# KiCad board Li-ion charger_panel.kicad_pcb (continued)
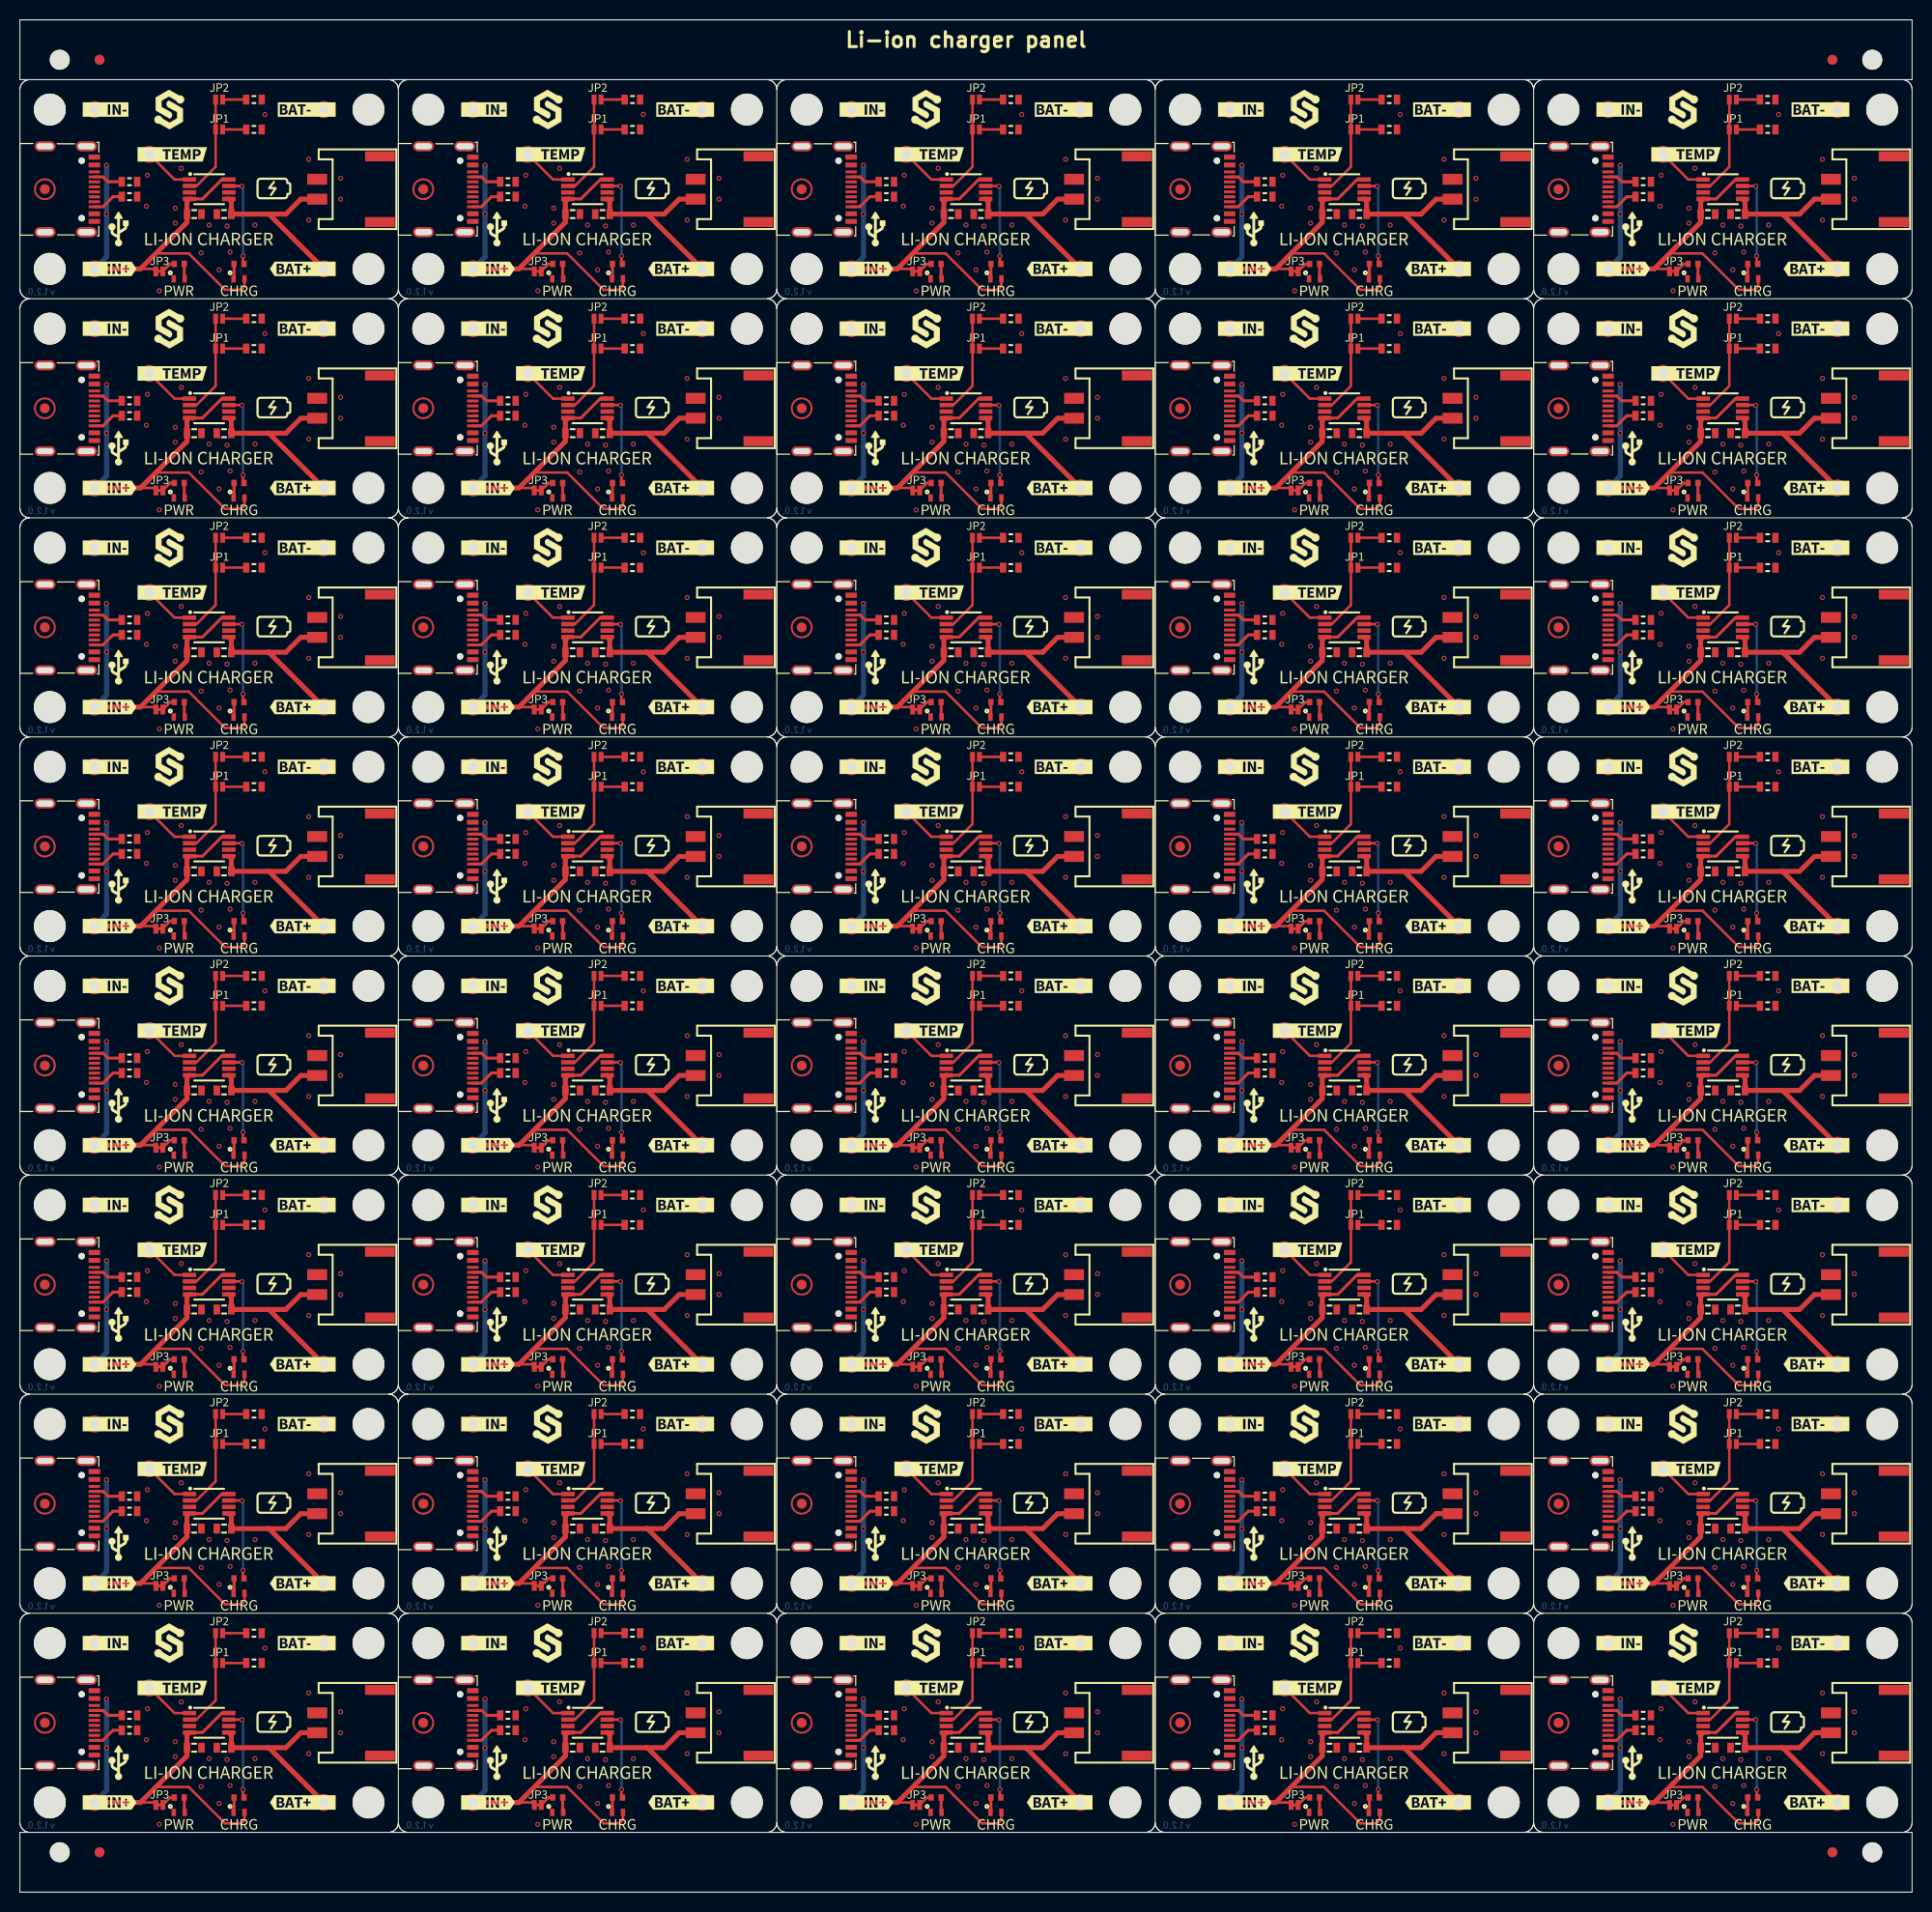
[diagram p0: board, top side]
## Copper pours and planes (outline as drawn; the poured copper is in the pictures) (continued)
Board_6-VUSB on Top: 46.8,146.2 44.9,146.2 44.9,146.9 46.8,146.9 47,146.7 47,146.4
Board_7-GND on Top, Bottom: 76,138 76,160 114,160 114,138
Board_7-VUSB on Top: 84.8,151.1 82.9,151.1 82.9,151.8 84.8,151.8 85,151.6 85,151.3
Board_7-VUSB on Top: 84.8,146.2 82.9,146.2 82.9,146.9 84.8,146.9 85,146.7 85,146.4
Board_8-GND on Top, Bottom: 114,138 114,160 152,160 152,138
Board_8-VUSB on Top: 122.8,146.2 120.9,146.2 120.9,146.9 122.8,146.9 123,146.7 123,146.4
Board_8-VUSB on Top: 122.8,151.1 120.9,151.1 120.9,151.8 122.8,151.8 123,151.6 123,151.3
Board_9-GND on Top, Bottom: 152,138 152,160 190,160 190,138
Board_9-VUSB on Top: 160.8,151.1 158.9,151.1 158.9,151.8 160.8,151.8 161,151.6 161,151.3
Board_9-VUSB on Top: 160.8,146.2 158.9,146.2 158.9,146.9 160.8,146.9 161,146.7 161,146.4
Board_10-GND on Top, Bottom: 0,116 0,138 38,138 38,116
Board_10-VUSB on Top: 8.8,124.2 6.9,124.2 6.9,124.9 8.8,124.9 9,124.7 9,124.4
Board_10-VUSB on Top: 8.8,129.1 6.9,129.1 6.9,129.8 8.8,129.8 9,129.6 9,129.3
Board_11-GND on Top, Bottom: 38,116 38,138 76,138 76,116
Board_11-VUSB on Top: 46.8,129.1 44.9,129.1 44.9,129.8 46.8,129.8 47,129.6 47,129.3
Board_11-VUSB on Top: 46.8,124.2 44.9,124.2 44.9,124.9 46.8,124.9 47,124.7 47,124.4
Board_12-GND on Top, Bottom: 76,116 76,138 114,138 114,116
Board_12-VUSB on Top: 84.8,124.2 82.9,124.2 82.9,124.9 84.8,124.9 85,124.7 85,124.4
Board_12-VUSB on Top: 84.8,129.1 82.9,129.1 82.9,129.8 84.8,129.8 85,129.6 85,129.3
Board_13-GND on Top, Bottom: 114,116 114,138 152,138 152,116
Board_13-VUSB on Top: 122.8,129.1 120.9,129.1 120.9,129.8 122.8,129.8 123,129.6 123,129.3
Board_13-VUSB on Top: 122.8,124.2 120.9,124.2 120.9,124.9 122.8,124.9 123,124.7 123,124.4
Board_14-GND on Top, Bottom: 152,116 152,138 190,138 190,116
Board_14-VUSB on Top: 160.8,129.1 158.9,129.1 158.9,129.8 160.8,129.8 161,129.6 161,129.3
Board_14-VUSB on Top: 160.8,124.2 158.9,124.2 158.9,124.9 160.8,124.9 161,124.7 161,124.4
Board_15-GND on Top, Bottom: 0,94 0,116 38,116 38,94
Board_15-VUSB on Top: 8.8,107.1 6.9,107.1 6.9,107.8 8.8,107.8 9,107.6 9,107.3
Board_15-VUSB on Top: 8.8,102.2 6.9,102.2 6.9,102.9 8.8,102.9 9,102.7 9,102.4
Board_16-GND on Top, Bottom: 38,94 38,116 76,116 76,94
Board_16-VUSB on Top: 46.8,102.2 44.9,102.2 44.9,102.9 46.8,102.9 47,102.7 47,102.4
Board_16-VUSB on Top: 46.8,107.1 44.9,107.1 44.9,107.8 46.8,107.8 47,107.6 47,107.3
Board_17-GND on Top, Bottom: 76,94 76,116 114,116 114,94
Board_17-VUSB on Top: 84.8,102.2 82.9,102.2 82.9,102.9 84.8,102.9 85,102.7 85,102.4
Board_17-VUSB on Top: 84.8,107.1 82.9,107.1 82.9,107.8 84.8,107.8 85,107.6 85,107.3
Board_18-GND on Top, Bottom: 114,94 114,116 152,116 152,94
Board_18-VUSB on Top: 122.8,102.2 120.9,102.2 120.9,102.9 122.8,102.9 123,102.7 123,102.4
Board_18-VUSB on Top: 122.8,107.1 120.9,107.1 120.9,107.8 122.8,107.8 123,107.6 123,107.3
Board_19-GND on Top, Bottom: 152,94 152,116 190,116 190,94
Board_19-VUSB on Top: 160.8,102.2 158.9,102.2 158.9,102.9 160.8,102.9 161,102.7 161,102.4
Board_19-VUSB on Top: 160.8,107.1 158.9,107.1 158.9,107.8 160.8,107.8 161,107.6 161,107.3
Board_20-GND on Top, Bottom: 0,72 0,94 38,94 38,72
Board_20-VUSB on Top: 8.8,85.1 6.9,85.1 6.9,85.8 8.8,85.8 9,85.6 9,85.3
Board_20-VUSB on Top: 8.8,80.2 6.9,80.2 6.9,80.9 8.8,80.9 9,80.7 9,80.4
Board_21-GND on Top, Bottom: 38,72 38,94 76,94 76,72
Board_21-VUSB on Top: 46.8,85.1 44.9,85.1 44.9,85.8 46.8,85.8 47,85.6 47,85.3
Board_21-VUSB on Top: 46.8,80.2 44.9,80.2 44.9,80.9 46.8,80.9 47,80.7 47,80.4
Board_22-GND on Top, Bottom: 76,72 76,94 114,94 114,72
Board_22-VUSB on Top: 84.8,80.2 82.9,80.2 82.9,80.9 84.8,80.9 85,80.7 85,80.4
Board_22-VUSB on Top: 84.8,85.1 82.9,85.1 82.9,85.8 84.8,85.8 85,85.6 85,85.3
Board_23-GND on Top, Bottom: 114,72 114,94 152,94 152,72
Board_23-VUSB on Top: 122.8,80.2 120.9,80.2 120.9,80.9 122.8,80.9 123,80.7 123,80.4
Board_23-VUSB on Top: 122.8,85.1 120.9,85.1 120.9,85.8 122.8,85.8 123,85.6 123,85.3
Board_24-GND on Top, Bottom: 152,72 152,94 190,94 190,72
Board_24-VUSB on Top: 160.8,85.1 158.9,85.1 158.9,85.8 160.8,85.8 161,85.6 161,85.3
Board_24-VUSB on Top: 160.8,80.2 158.9,80.2 158.9,80.9 160.8,80.9 161,80.7 161,80.4
Board_25-GND on Top, Bottom: 0,50 0,72 38,72 38,50
Board_25-VUSB on Top: 8.8,63.1 6.9,63.1 6.9,63.8 8.8,63.8 9,63.6 9,63.3
Board_25-VUSB on Top: 8.8,58.2 6.9,58.2 6.9,58.9 8.8,58.9 9,58.7 9,58.4
Board_26-GND on Top, Bottom: 38,50 38,72 76,72 76,50
Board_26-VUSB on Top: 46.8,63.1 44.9,63.1 44.9,63.8 46.8,63.8 47,63.6 47,63.3
Board_26-VUSB on Top: 46.8,58.2 44.9,58.2 44.9,58.9 46.8,58.9 47,58.7 47,58.4
Board_27-GND on Top, Bottom: 76,50 76,72 114,72 114,50
Board_27-VUSB on Top: 84.8,63.1 82.9,63.1 82.9,63.8 84.8,63.8 85,63.6 85,63.3
Board_27-VUSB on Top: 84.8,58.2 82.9,58.2 82.9,58.9 84.8,58.9 85,58.7 85,58.4
Board_28-GND on Top, Bottom: 114,50 114,72 152,72 152,50
Board_28-VUSB on Top: 122.8,58.2 120.9,58.2 120.9,58.9 122.8,58.9 123,58.7 123,58.4
Board_28-VUSB on Top: 122.8,63.1 120.9,63.1 120.9,63.8 122.8,63.8 123,63.6 123,63.3
Board_29-GND on Top, Bottom: 152,50 152,72 190,72 190,50
Board_29-VUSB on Top: 160.8,58.2 158.9,58.2 158.9,58.9 160.8,58.9 161,58.7 161,58.4
Board_29-VUSB on Top: 160.8,63.1 158.9,63.1 158.9,63.8 160.8,63.8 161,63.6 161,63.3
Board_30-GND on Top, Bottom: 0,28 0,50 38,50 38,28
Board_30-VUSB on Top: 8.8,41.1 6.9,41.1 6.9,41.8 8.8,41.8 9,41.6 9,41.3
Board_30-VUSB on Top: 8.8,36.2 6.9,36.2 6.9,36.9 8.8,36.9 9,36.7 9,36.4
Board_31-GND on Top, Bottom: 38,28 38,50 76,50 76,28
Board_31-VUSB on Top: 46.8,41.1 44.9,41.1 44.9,41.8 46.8,41.8 47,41.6 47,41.3
Board_31-VUSB on Top: 46.8,36.2 44.9,36.2 44.9,36.9 46.8,36.9 47,36.7 47,36.4
Board_32-GND on Top, Bottom: 76,28 76,50 114,50 114,28
Board_32-VUSB on Top: 84.8,36.2 82.9,36.2 82.9,36.9 84.8,36.9 85,36.7 85,36.4
Board_32-VUSB on Top: 84.8,41.1 82.9,41.1 82.9,41.8 84.8,41.8 85,41.6 85,41.3
Board_33-GND on Top, Bottom: 114,28 114,50 152,50 152,28
Board_33-VUSB on Top: 122.8,41.1 120.9,41.1 120.9,41.8 122.8,41.8 123,41.6 123,41.3
Board_33-VUSB on Top: 122.8,36.2 120.9,36.2 120.9,36.9 122.8,36.9 123,36.7 123,36.4
Board_34-GND on Top, Bottom: 152,28 152,50 190,50 190,28
Board_34-VUSB on Top: 160.8,36.2 158.9,36.2 158.9,36.9 160.8,36.9 161,36.7 161,36.4
Board_34-VUSB on Top: 160.8,41.1 158.9,41.1 158.9,41.8 160.8,41.8 161,41.6 161,41.3
Board_35-GND on Top, Bottom: 0,6 0,28 38,28 38,6
Board_35-VUSB on Top: 8.8,14.2 6.9,14.2 6.9,14.9 8.8,14.9 9,14.7 9,14.4
Board_35-VUSB on Top: 8.8,19.1 6.9,19.1 6.9,19.8 8.8,19.8 9,19.6 9,19.3
Board_36-GND on Top, Bottom: 38,6 38,28 76,28 76,6
Board_36-VUSB on Top: 46.8,19.1 44.9,19.1 44.9,19.8 46.8,19.8 47,19.6 47,19.3
Board_36-VUSB on Top: 46.8,14.2 44.9,14.2 44.9,14.9 46.8,14.9 47,14.7 47,14.4
Board_37-GND on Top, Bottom: 76,6 76,28 114,28 114,6
Board_37-VUSB on Top: 84.8,14.2 82.9,14.2 82.9,14.9 84.8,14.9 85,14.7 85,14.4
Board_37-VUSB on Top: 84.8,19.1 82.9,19.1 82.9,19.8 84.8,19.8 85,19.6 85,19.3
Board_38-GND on Top, Bottom: 114,6 114,28 152,28 152,6
Board_38-VUSB on Top: 122.8,14.2 120.9,14.2 120.9,14.9 122.8,14.9 123,14.7 123,14.4
Board_38-VUSB on Top: 122.8,19.1 120.9,19.1 120.9,19.8 122.8,19.8 123,19.6 123,19.3
Board_39-GND on Top, Bottom: 152,6 152,28 190,28 190,6
Board_39-VUSB on Top: 160.8,19.1 158.9,19.1 158.9,19.8 160.8,19.8 161,19.6 161,19.3
Board_39-VUSB on Top: 160.8,14.2 158.9,14.2 158.9,14.9 160.8,14.9 161,14.7 161,14.4

## Text on the board
F.Silkscreen: Li-ion charger panel
User.8: V-CUT
